# Allegro board T736_DEMO_CORE_AXP8191_LP4_4X_32X1_V0_5-draft.brd (continued)
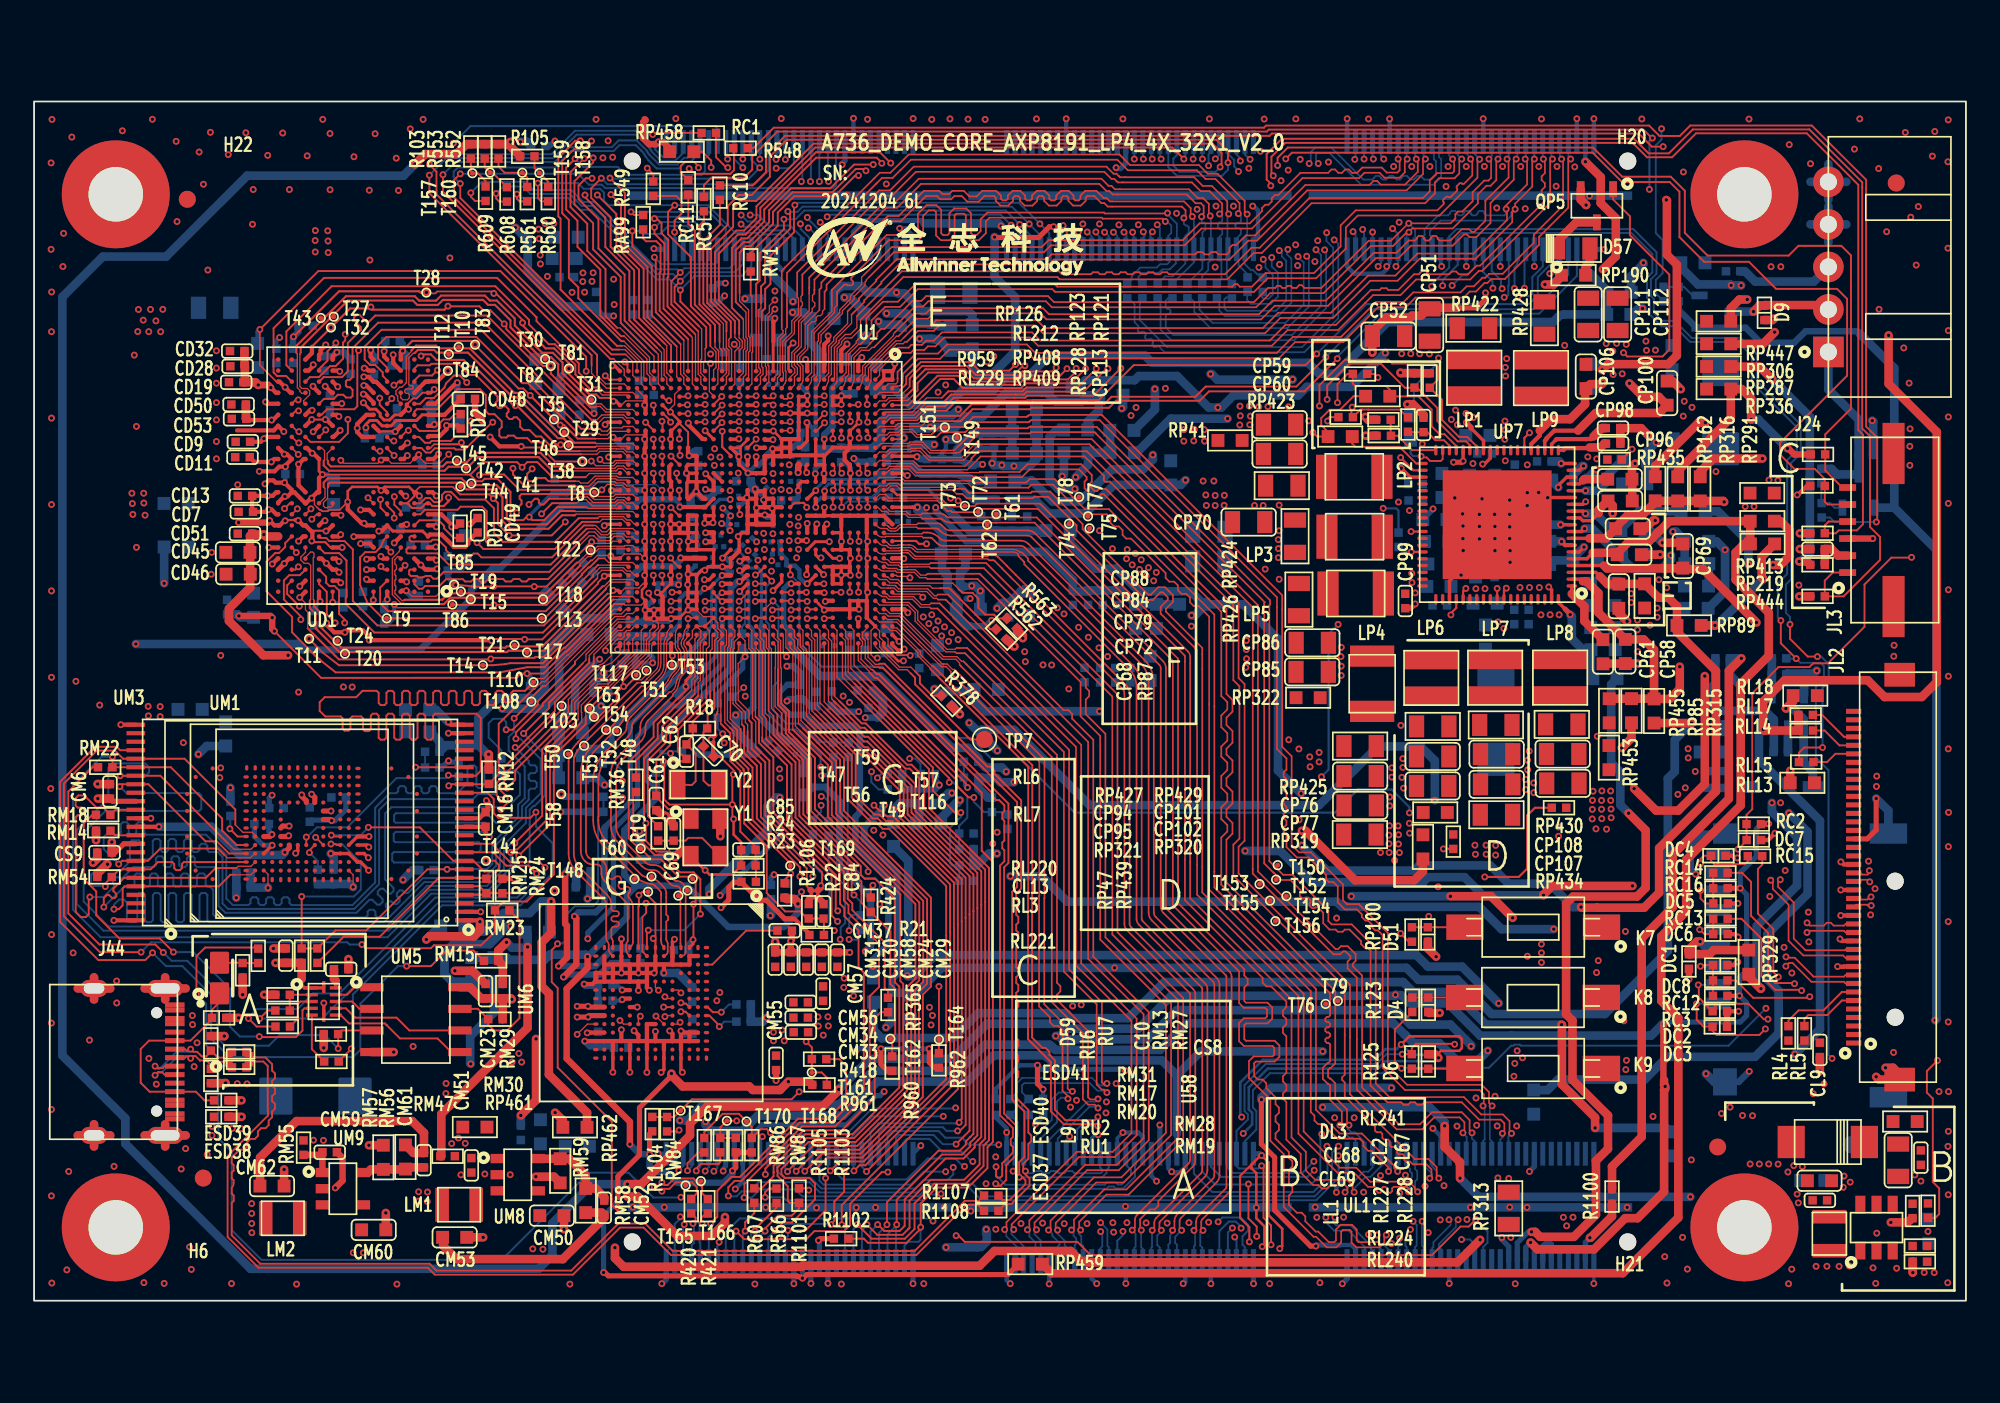
[diagram p0: board, top side]
## Routing (per net, layer and track width the routed paths; a pad name or vN(x,y) marks a point on that pad's centre or on a via; arc(x,y) is an arc through that point) (continued)
FEL: length 188.1
  TOP w0.114: U1.AD6 39.39,52.15 v1(39.42,52.18) ; R123.1 79.95,15.95 79.95,14.06 v1(80.34,13.66)
  L4 w0.076: v1(39.42,52.18) 39.74,52.5 39.74,53.83 39.59,53.98
  L4 w0.114: v1(101.75,17.19) 103.24,17.19 104.09,16.34 106.07,16.34 111.57,21.84 111.57,65.38 108.38,68.57 97.9,68.57 96.54,67.21 95.28,67.21 93.86,68.62 68.98,68.62 68.75,68.62 40.72,68.62 39.4,67.3 39.4,66.1 39.26,65.96 39.26,63.29 38.38,62.41 38.38,62.36 38.33,62.32 38.33,61 38.33,61 38.33,56.49 38.38,56.45 38.38,56.41 39.19,55.6 39.19,54.38 39.59,53.98
  BOTTOM w0.114: J48.117 71.14,9.39 71.62,9.87 71.81,10.06 71.81,11.15 71.61,11.35 71.61,12.38 72.61,13.38 79.25,13.38 79.53,13.66 v1(80.34,13.66) 80.36,13.68 80.36,13.7 85.48,13.7 86.77,14.99 86.92,14.99 86.98,15.05 87.28,15.05 87.34,14.99 99.55,14.99 v1(101.75,17.19)
GPADC4: length 44.8
  TOP w0.114: U1.H30 46.47,40.15 v1(46.42,40.1) ; v1(49.35,29.13) 49.67,28.81 49.76,28.81 50.09,28.48 50.47,28.48 50.63,28.32 50.68,28.28 50.76,28.19 52.86,26.1 53.39,25.56 54.21,24.74 54.27,24.68 54.27,22.11 54.28,22.1 54.28,12.44 47.45,5.62 v1(47.45,4.47)
  L4 w0.114: v1(46.42,40.1) 46.6,39.92 46.6,35.87 48.83,33.64 48.83,29.58 49.29,29.13 v1(49.35,29.13)
  BOTTOM w0.114: J48.44 47.64,4.35 47.53,4.47 v1(47.45,4.47)
GPADC5: length 48.3
  TOP w0.076: U1.H31 47.17,39.4 47.17,36.66 48.01,35.83
  TOP w0.114: 48.01,35.83 52.58,31.25 52.58,28.96 56.1,25.44 56.1,23.57 56.1,9.43 55.92,9.25 55.78,9.11 55.78,7.92 54.74,6.88 52.88,6.88 51.73,5.73 51.73,4.21 51.16,3.65 49.2,3.65 48.37,4.48 v1(48.36,4.48)
  BOTTOM w0.114: v1(48.36,4.48) 48.36,4.43 48.14,4.21 J48.46
GPADC6: length 47
  TOP w0.076: 47.31,35.26 47.01,35.55 47.01,39.06 U1.H32
  TOP w0.114: v1(48.94,4.48) 49.54,3.87 51.03,3.87 51.38,4.23 51.38,4.24 51.44,4.29 51.44,5.87 52.68,7.11 54.64,7.11 55.55,8.02 55.55,9.2 55.69,9.34 55.88,9.53 55.88,23.43 55.87,23.43 55.87,25.34 52.3,28.92 52.3,30.76 51.55,31.51 51.29,31.51 48.86,33.94 48.63,33.94 47.31,35.26
  BOTTOM w0.114: v1(48.94,4.48) 48.94,4.44 48.64,4.14 J48.48
GPADC7: length 46
  TOP w0.076: U1.J31 46.67,39.4 46.67,38.97 46.86,38.78 46.86,35.38 46.99,35.25
  TOP w0.114: 46.99,35.25 48.56,33.68 48.8,33.68 51.2,31.28 51.44,31.28 52.01,30.72 52.01,28.89 52.07,28.83 53.83,27.07 55.65,25.25 55.65,23.27 55.65,9.62 55.46,9.44 55.46,9.44 55.26,9.24 55.26,9.02 55.23,8.99 55.23,8.98 54.61,8.36 53.56,8.36 51.15,5.95 51.15,4.4 50.85,4.1 49.95,4.1 49.58,4.48 v1(49.56,4.48)
  BOTTOM w0.114: J48.50 49.14,4.06 49.55,4.48 v1(49.56,4.48)
GPADC8: length 43.1
  TOP w0.076: U1.J33 46.42,35.21 46.74,34.89
  TOP w0.114: v1(50.11,4.48) 50.11,5.79 53.14,8.82 54.38,8.82 54.75,9.18 54.75,9.37 55,9.63 55,9.63 55.19,9.81 55.19,22.9 55.19,22.9 55.19,25.06 52.46,27.79 51.61,28.64 51.61,28.64 51.55,28.7 51.55,30.28 48.95,32.88 48.75,32.88 46.74,34.89
  BOTTOM w0.114: v1(50.11,4.48) 50.11,4.45 49.64,3.98 J48.52
GPADC9: length 45.6
  TOP w0.076: 46.83,35.1 46.67,35.26 46.67,38.75 46.42,39 U1.J32
  TOP w0.114: 46.83,35.1 48.78,33.16 49,33.16 51.78,30.38 51.78,28.79 51.84,28.73 52.99,27.58 55.42,25.15 55.42,23.09 55.42,23.09 55.42,9.72 55.23,9.53 55,9.3 55,9.07 54.52,8.59 53.34,8.59 50.68,5.93 v1(50.68,4.48)
  BOTTOM w0.114: v1(50.68,4.48) 50.68,4.44 50.64,4.4 ; 50.64,4.4 J48.56 ; 50.64,4.4 50.14,3.9 J48.54
HCEC: length 59.5
  TOP w0.114: v1(47.96,46.65) 47.96,47.11 U1.F16
  L4 w0.076: 52.21,45.77 51.7,45.77 51.29,46.18 48.43,46.18 v1(47.96,46.65)
  L4 w0.114: 52.21,45.77 52.21,45.77 52.24,45.8 52.77,45.8 52.77,45.8 52.97,45.8 53.33,45.45 57.97,45.45 63.83,39.59 63.83,21.23 70,15.06 70,4.12 70.32,3.8 70.49,3.8 v1(70.54,3.74)
  BOTTOM w0.114: v1(70.54,3.74) 70.64,3.64 J48.116
HHPD: length 62
  TOP w0.102: U1.H16 46.92,46.67 v1(46.94,46.65)
  L4 w0.076: v1(46.94,46.65) 47.33,46.26 48.08,46.26 48.32,46.03 51.2,46.03 51.38,45.85
  L4 w0.114: v1(69.57,4.64) 69.13,5.07 69.13,15.57 63.55,21.15 63.55,34.41 62.06,35.91 62.06,38.61 62.35,38.9 62.35,40.67 57.84,45.17 53.26,45.17 52.88,45.56 51.67,45.56 51.38,45.85
  BOTTOM w0.114: v1(69.57,4.64) 69.82,4.89 70.89,4.89 71.32,4.46 71.32,4.11 71,3.79 71,3.29 71.14,3.15 J48.118
HREXT: length 3.5
  TOP w0.114: v1(47.45,46.65) 47.44,46.66 47.44,47.14 U1.G16
  BOTTOM w0.114: v1(47.45,46.65) 47.79,46.98 49.47,46.98 49.7,47.22 R380.2
HSCL: length 60.4
  TOP w0.114: v1(48.97,46.65) 48.97,47.1 U1.D16
  L4 w0.076: 52.21,46.25 51.81,46.25 51.41,46.65 v1(48.97,46.65)
  L4 w0.114: 52.21,46.25 52.22,46.26 52.58,46.26 52.59,46.26 53.24,46.26 53.55,45.95 58.12,45.95 64.39,39.67 64.39,21.52 70.48,15.44 70.48,4.71 70.76,4.42 70.76,4.42 v1(70.92,4.27)
  BOTTOM w0.114: J48.112 69.64,4.1 70.19,4.65 70.61,4.65 70.92,4.34 v1(70.92,4.27)
HSDA: length 59.1
  TOP w0.114: U1.E16 48.47,47.11 v1(48.47,46.65)
  L4 w0.076: v1(48.47,46.65) 48.78,46.33 51.45,46.33 51.79,46
  L4 w0.114: v1(70.4,4.27) 70.24,4.44 70.24,15.21 64.17,21.28 64.17,39.58 58.07,45.67 53.45,45.67 53.09,46.03 52.68,46.03 52.68,46.03 52.22,46.03 52.19,46 51.79,46
  BOTTOM w0.114: J48.114 70.14,4.01 v1(70.4,4.27)
HTX0N: length 55.8
  TOP w0.076: 57.83,43.77 57.82,43.78 57.82,43.89 57.82,43.89 arc(57.68,43.98) 57.52,44.01 51.91,44.01 arc(51.82,44.03) 51.75,44.08 51.63,44.2 arc(51.55,44.26) 51.44,44.28 51.41,44.28 51.16,44.28 50.83,44.28 50.8,44.25 50.33,44.25 arc(50.24,44.26) 50.16,44.31 50.1,44.38 arc(50.08,44.39) 50.05,44.4 49.93,44.4 arc(49.79,44.42) 49.68,44.5 49.6,44.57 arc(49.52,44.63) U1.C21
  TOP w0.102: v1(65.69,4.14) 65.81,4.26 65.81,4.58 arc(65.84,4.73) 65.93,4.86 68.55,7.48 arc(68.61,7.57) 68.63,7.67 68.63,18.35 arc(68.62,18.39) 68.6,18.42 64.91,22.11 arc(64.81,22.26) 64.77,22.45 64.77,36.07 arc(64.65,36.65) 64.32,37.15 58.18,43.29 58.18,43.42 58.09,43.51 58.09,43.51 57.83,43.77
  BOTTOM w0.102: v1(65.69,4.14) 65.68,4.13 65.68,3.16 65.64,3.12 J48.96
HTX0P: length 55.8
  TOP w0.076: 58.05,43.98 58.04,44 57.93,44 57.93,44 57.93,44 arc(57.74,44.12) 57.52,44.17 51.91,44.17 arc(51.88,44.17) 51.86,44.19 51.74,44.31 arc(51.6,44.4) 51.44,44.43 51.35,44.43 51.09,44.43 50.77,44.43 50.74,44.4 50.33,44.4 arc(50.3,44.4) 50.27,44.42 50.21,44.48 arc(50.2,44.49) 50.19,44.51 50.19,44.5 50.08,44.61 50,44.65 U1.B21
  TOP w0.102: v1(66.23,4.14) 66.12,4.25 66.12,4.58 arc(66.13,4.62) 66.15,4.65 68.77,7.27 arc(68.89,7.45) 68.93,7.67 68.93,18.35 arc(68.9,18.5) 68.81,18.64 65.13,22.33 arc(65.09,22.38) 65.08,22.45 65.08,36.07 arc(64.94,36.77) 64.54,37.36 58.39,43.51 58.39,43.64 58.05,43.98
  BOTTOM w0.102: J48.98 66.14,3.13 65.98,3.28 65.98,3.83 66.23,4.07 v1(66.23,4.14)
HTX1N: length 56.6
  TOP w0.076: U1.C20 49.57,45 arc(49.68,44.93) 49.82,44.9 50.03,44.9 50.06,44.93 52.16,44.93 52.24,44.85 52.25,44.85
  TOP w0.102: 52.25,44.85 52.68,44.85 arc(52.73,44.85) 52.77,44.82 53.06,44.53 arc(53.22,44.42) 53.42,44.38 57.96,44.38 arc(58.09,44.35) 58.2,44.28 65,37.48 arc(65.36,36.95) 65.48,36.33 65.48,22.83 arc(65.53,22.57) 65.68,22.34 69.25,18.77 arc(69.32,18.68) 69.34,18.56 69.34,7.37 arc(69.32,7.26) 69.26,7.18 67.17,5.08 arc(67.04,4.9) 67,4.67 67,4.25 v1(66.89,4.14)
  BOTTOM w0.102: v1(66.89,4.14) 66.89,4.04 66.86,4.01 arc(66.77,3.87) 66.74,3.72 66.74,3.4 66.64,3.3 J48.100
HTX1P: length 56.6
  TOP w0.076: U1.B20 49.99,45.08 52.16,45.08 52.24,45.16 52.25,45.16
  TOP w0.102: v1(67.42,4.14) 67.3,4.26 67.3,4.67 arc(67.32,4.78) 67.38,4.87 69.47,6.96 arc(69.6,7.15) 69.65,7.37 69.65,18.56 arc(69.6,18.79) 69.47,18.99 65.9,22.56 arc(65.82,22.68) 65.79,22.83 65.79,36.33 arc(65.64,37.07) 65.22,37.69 58.42,44.49 arc(58.21,44.63) 57.96,44.68 53.53,44.68 arc(53.36,44.72) 53.21,44.81 53.16,44.87 arc(52.84,45.08) 52.46,45.16 52.25,45.16
  BOTTOM w0.102: v1(67.42,4.14) 67.07,3.79 arc(67.05,3.76) 67.04,3.72 67.04,3.4 67.14,3.3 J48.102
HTX2N: length 57.7
  TOP w0.076: U1.C19 49.57,45.5 arc(49.68,45.43) 49.82,45.4 50.05,45.4 arc(50.1,45.39) 50.14,45.36 50.18,45.32 arc(50.26,45.26) 50.35,45.25 50.58,45.25 arc(50.66,45.26) 50.74,45.31 50.86,45.44 arc(50.9,45.46) 50.95,45.47 51.86,45.47 51.94,45.4 51.96,45.4
  TOP w0.102: v1(68.14,4.14) 68.27,4.26 68.27,4.62 arc(68.31,4.83) 68.43,5.01 70.02,6.61 arc(70.04,6.64) 70.05,6.68 70.05,19.05 arc(70.04,19.09) 70.02,19.13 66.35,22.79 arc(66.23,22.97) 66.19,23.18 66.19,26.53 66.19,37.18 arc(66.17,37.29) 66.11,37.38 58.61,44.88 arc(58.5,44.96) 58.37,44.98 53.88,44.98 arc(53.54,45.05) 53.24,45.25 53.14,45.35 arc(53.09,45.39) 53.03,45.4 51.96,45.4
  BOTTOM w0.102: v1(68.14,4.14) 68.21,4.07 68.21,3.26 68.14,3.19 J48.106
HTX2P: length 57.7
  TOP w0.076: U1.B19 49.92,45.65 arc(50,45.59) 50.1,45.58 50.13,45.58 50.14,45.57 50.16,45.55 50.21,45.5 50.21,45.51 arc(50.23,45.49) 50.24,45.47 50.29,45.42 arc(50.32,45.41) 50.35,45.4 50.58,45.4 arc(50.61,45.4) 50.63,45.42 50.75,45.54 arc(50.84,45.6) 50.95,45.63 51.86,45.63 51.94,45.7 51.96,45.7
  TOP w0.102: v1(68.68,4.14) 68.57,4.24 68.57,4.62 arc(68.59,4.72) 68.64,4.8 70.24,6.39 arc(70.33,6.52) 70.36,6.68 70.36,19.05 arc(70.33,19.21) 70.24,19.34 66.57,23.01 arc(66.52,23.09) 66.5,23.18 66.5,26.53 66.5,37.18 arc(66.45,37.41) 66.33,37.6 58.83,45.1 arc(58.62,45.24) 58.37,45.29 53.81,45.29 arc(53.65,45.32) 53.51,45.41 53.31,45.61 arc(53.21,45.68) 53.09,45.7 51.96,45.7
  BOTTOM w0.102: v1(68.68,4.14) 68.64,4.14 68.51,4.02 68.51,3.24 68.64,3.12 J48.108
HTXCN: length 54.7
  TOP w0.076: 56.12,43.53 56.1,43.53 56.02,43.61 51.8,43.61 arc(51.72,43.63) 51.64,43.68 51.37,43.95 arc(51.34,43.97) 51.31,43.97 51.28,43.97 50.96,43.97 50.92,43.93 50.06,43.93 50.03,43.9 49.82,43.9 arc(49.68,43.93) 49.57,44 U1.C22
  TOP w0.102: 56.12,43.53 56.35,43.53 arc(56.39,43.53) 56.42,43.5 56.87,43.06 56.87,43.05 57.36,42.55 57.36,42.55 63.94,35.97 arc(64.03,35.84) 64.06,35.69 64.06,22.16 arc(64.1,21.94) 64.22,21.76 67.89,18.1 arc(67.91,18.06) 67.92,18.02 67.92,8.29 arc(67.89,8.17) 67.83,8.07 64.8,5.04 arc(64.71,4.91) 64.68,4.75 64.68,4.31 v1(64.52,4.15)
  BOTTOM w0.102: J48.92 64.64,3.11 64.71,3.18 64.71,3.91 arc(64.7,3.95) 64.68,3.99 v1(64.52,4.15)
HTXCP: length 54.6
  TOP w0.076: 56.12,43.84 56.1,43.84 56.02,43.76 51.8,43.76 arc(51.77,43.77) 51.75,43.78 51.48,44.06 arc(51.4,44.11) 51.31,44.12 51.22,44.12 50.89,44.12 50.85,44.08 49.99,44.08 U1.B22
  TOP w0.102: 56.12,43.84 56.35,43.84 arc(56.51,43.81) 56.64,43.72 57.17,43.19 57.17,43.18 57.67,42.68 57.67,42.68 64.16,36.18 arc(64.31,35.96) 64.36,35.69 64.36,22.16 arc(64.38,22.06) 64.44,21.98 68.1,18.31 arc(68.19,18.18) 68.22,18.02 68.22,8.29 arc(68.18,8.05) 68.04,7.85 66.05,5.86 66.05,5.58 65.84,5.36 65.55,5.36 65.01,4.82 arc(64.99,4.79) 64.98,4.75 64.98,4.22 v1(65.05,4.15)
  BOTTOM w0.102: v1(65.05,4.15) 65.04,4.14 65.04,3.93 65.04,3.93 arc(65.04,3.93) 65.04,3.92 65.04,3.15 65.14,3.05 J48.94
JTAG-SEL: length 18.4
  TOP w0.114: v1(39.42,51.68) 39.4,51.65 U1.AD7 ; RP458.1 39.26,67.55 39.78,67.03 v1(39.78,66.62)
  L4 w0.076: 39.71,54.26 39.91,54.06 39.91,52.16 v1(39.42,51.68)
  L4 w0.114: 39.71,54.26 39.38,54.59 39.38,55.77 38.56,56.58 38.56,60.9 38.56,62.22 39.49,63.15 39.49,65.87 39.8,66.17 39.8,66.61 v1(39.78,66.62)
LRADC0: length 49.2
  TOP w0.076: 48.58,36.96 48.17,37.37 48.17,39.4 U1.F31
  TOP w0.114: 48.58,36.96 55.68,29.86 55.68,26.45 56.33,25.8 56.33,23.67 56.33,9.34 56.01,9.02 56.01,7.8 54.87,6.65 53.03,6.65 52.09,5.71 v1(52.09,4.32) 52.08,4.31 52.08,4.23 51.26,3.4 49,3.4 48.75,3.65 R1102.1
  BOTTOM w0.114: J48.58 51.14,3.24 51.36,3.46 51.96,3.46 52.08,3.58 52.08,4.31 v1(52.09,4.32)
LVDS0-CKN: length 40.5
  TOP w0.076: U1.P3 44.12,53.95 44.17,54.07 44.17,54.09 44.17,54.63 44.13,54.67 44.13,56.33 44.67,56.86 44.67,57.54 45.06,57.93 45.06,58.43 45.13,58.5 45.13,58.69 45.06,58.76 45.06,59.05 45.14,59.12 45.14,59.14
  TOP w0.102: v1(69.65,63.89) 69.79,64.03 69.79,64.5 69.07,65.23 68.53,65.23 68.02,65.75 63.97,65.75 63.97,65.75 63.67,65.75 63.6,65.81 63.6,65.81 63.47,65.95 63.3,65.95 62.88,66.36 51.81,66.36 50.41,64.97 49.78,64.97 45.14,60.32 45.14,59.14
  BOTTOM w0.102: RL236.2 69.54,59.79 69.76,60.12 69.76,61.09 69.64,61.21 J47.69 69.64,62.54 69.81,62.71 69.81,62.93 69.72,63.02 69.65,63.02 69.55,63.12 69.55,63.3 69.64,63.39 69.72,63.39 69.81,63.48 69.81,63.73 v1(69.65,63.89)
LVDS0-CKN-1: length 89.4
  TOP w0.102: v1(107.93,23.23) 107.74,23.23 107.69,23.28 107.04,23.28 JL2.17
  L4 w0.102: v1(107.93,23.23) 107.82,23.23 107.74,23.32 107.08,23.32 106.64,23.76 106.64,26.06 106.9,26.33 107.04,26.33 107.14,26.43 107.14,26.63 107.04,26.73 106.9,26.73 106.64,27 106.64,27.63 107.39,28.37 107.39,31.97 107.65,32.24 107.86,32.24 107.96,32.34 107.96,32.54 107.86,32.64 107.65,32.64 107.39,32.91 107.39,33.34 107.65,33.61 107.86,33.61 107.96,33.71 107.96,33.91 107.86,34.02 107.65,34.02 107.39,34.28 107.39,34.72 107.65,34.98 107.86,34.98 107.96,35.08 107.96,35.29 107.86,35.39 107.65,35.39 107.39,35.65 107.39,36.09 107.65,36.35 107.86,36.35 107.96,36.45 107.96,36.66 107.86,36.76 107.65,36.76 107.39,37.02 107.39,39.87 107.65,40.14 107.85,40.14 107.96,40.24 107.96,40.44 107.85,40.54 107.65,40.54 107.39,40.81 107.39,41.24 107.65,41.51 107.85,41.51 107.96,41.61 107.96,41.81 107.85,41.92 107.65,41.92 107.39,42.18 107.39,42.62 107.65,42.88 107.85,42.88 107.96,42.98 107.96,43.19 107.85,43.29 107.65,43.29 107.39,43.55 107.39,46.45 107.65,46.72 107.85,46.72 107.96,46.82 107.96,47.02 107.85,47.12 107.65,47.12 107.39,47.39 107.39,47.82 107.65,48.09 107.85,48.09 107.96,48.19 107.96,48.39 107.85,48.49 107.65,48.49 107.39,48.76 107.39,49.48 104.68,52.19 103.1,52.19 101.16,54.13 101.16,54.47 100.02,55.61 100.02,56.06 99.85,56.24 99.39,56.24 99.05,56.58 99.05,57.03 98.88,57.21 98.42,57.21 98.08,57.55 98.08,58.01 97.9,58.18 97.45,58.18 97.11,58.52 97.11,58.98 96.93,59.15 96.48,59.15 96.14,59.49 96.14,59.95 95.96,60.12 95.51,60.12 95.15,60.48 95.15,61.41 93.55,63 91.5,63 89.79,64.7 89.15,64.7 89.05,64.6 89.05,64.24 88.79,63.98 88.35,63.98 88.09,64.24 88.09,64.6 87.98,64.7 82.53,64.7 81.9,65.33 79.11,65.33 78.48,64.7 76.76,64.7 75.98,63.92 75.45,63.92 73.66,62.14 v1(73.66,61.81)
  BOTTOM w0.102: RL236.1 69.49,58.85 69.63,58.71 69.63,58.22 69.96,57.89 73.09,57.89 73.87,58.66 73.87,61.26 73.61,61.51 73.61,61.63 73.66,61.67 73.66,61.8 v1(73.66,61.81)
LVDS0-CKP: length 40.5
  TOP w0.076: U1.P2 44.02,54.25 44.02,54.25 44.02,54.56 43.98,54.6 43.98,56.39 44.52,56.92 44.52,57.6 44.91,57.99 44.91,58.94 44.83,59.01 44.83,59.14
  TOP w0.102: 44.83,59.14 44.83,60.45 49.65,65.27 50.29,65.27 51.68,66.67 63.01,66.67 63.42,66.25 63.59,66.25 63.73,66.12 63.8,66.05 64.09,66.05 64.09,66.05 68.15,66.05 68.66,65.54 69.19,65.54 70.1,64.63 70.1,63.97 v1(70.19,63.89)
  BOTTOM w0.102: RL237.2 70.37,59.91 70.08,60.21 70.08,61.75 J47.67 70.11,61.84 70.11,63.81 v1(70.19,63.89)
LVDS0-CKP-1: length 89.4
  TOP w0.102: v1(107.92,23.74) 107.86,23.74 107.71,23.58 106.97,23.58 JL2.18
  L4 w0.102: v1(73.16,61.74) 73.16,62.03 75.33,64.2 75.86,64.2 76.64,64.98 78.36,64.98 78.99,65.61 82.01,65.61 82.64,64.98 88.1,64.98 88.36,64.72 88.36,64.36 88.47,64.26 88.67,64.26 88.77,64.36 88.77,64.72 89.04,64.98 89.91,64.98 91.61,63.28 93.67,63.28 95.43,61.53 95.43,60.6 95.62,60.4 96.08,60.4 96.42,60.06 96.42,59.61 96.59,59.43 97.05,59.43 97.39,59.09 97.39,58.64 97.57,58.46 98.02,58.46 98.36,58.12 98.36,57.67 98.54,57.49 98.99,57.49 99.33,57.15 99.33,56.7 99.51,56.52 99.96,56.52 100.3,56.18 100.3,55.73 101.44,54.59 101.44,54.25 103.22,52.47 104.79,52.47 107.67,49.6 107.67,48.87 107.77,48.77 107.97,48.77 108.24,48.51 108.24,48.07 107.97,47.81 107.77,47.81 107.67,47.71 107.67,47.5 107.77,47.4 107.97,47.4 108.24,47.14 108.24,46.7 107.97,46.44 107.77,46.44 107.67,46.33 107.67,43.67 107.77,43.57 107.97,43.57 108.24,43.3 108.24,42.87 107.97,42.6 107.77,42.6 107.67,42.5 107.67,42.3 107.77,42.2 107.97,42.2 108.24,41.93 108.24,41.5 107.97,41.23 107.77,41.23 107.67,41.13 107.67,40.93 107.77,40.82 107.97,40.82 108.24,40.56 108.24,40.12 107.97,39.86 107.77,39.86 107.67,39.76 107.67,37.14 107.77,37.04 107.98,37.04 108.24,36.77 108.24,36.34 107.98,36.07 107.77,36.07 107.67,35.97 107.67,35.77 107.77,35.67 107.98,35.67 108.24,35.4 108.24,34.97 107.98,34.7 107.77,34.7 107.67,34.6 107.67,34.4 107.77,34.3 107.98,34.3 108.24,34.03 108.24,33.6 107.98,33.33 107.77,33.33 107.67,33.23 107.67,33.03 107.77,32.92 107.98,32.92 108.24,32.66 108.24,32.22 107.98,31.96 107.77,31.96 107.67,31.86 107.67,28.26 106.92,27.51 106.92,27.11 107.02,27.01 107.16,27.01 107.42,26.75 107.42,26.31 107.16,26.05 107.02,26.05 106.92,25.94 106.92,23.87 107.2,23.6 107.78,23.6 v1(107.92,23.74)
  BOTTOM w0.102: RL237.1 70.31,58.98 70.05,58.98 69.94,58.87 69.94,58.34 70.08,58.19 72.97,58.19 73.56,58.79 73.56,61.13 73.31,61.39 73.31,61.59 v1(73.16,61.74)
LVDS0-D0N: length 39.8
  TOP w0.076: U1.L2 45.42,54.3 45.68,54.55 45.68,56.97 46.87,58.16 46.87,58.47 46.87,58.55
  TOP w0.102: 46.87,58.55 46.87,59.43 49.93,62.49 50.1,62.65 51.84,62.65 51.93,62.74 51.93,63.9 52.44,64.41 53.01,64.41 53.3,64.13 53.3,62.75 53.4,62.65 53.67,62.65 53.78,62.75 53.78,63.93 54.06,64.21 54.77,64.21 55.05,63.93 55.05,62.75 55.15,62.65 55.38,62.65 55.62,62.89 55.62,63.58 56.01,63.97 62.86,63.97 62.91,63.92 66.56,63.92 v1(66.59,63.94)
  BOTTOM w0.102: v1(66.59,63.94) 66.59,63.87 67.14,63.32 J47.79 67.08,61.75 67.08,60.98 66.74,60.65 66.71,60.65 66.7,60.63 66.28,60.63 66.07,60.42 65.11,60.42 64.89,60.2 64.89,59.9 65.01,59.78 RL230.2
LVDS0-D0N-1: length 91.1
  TOP w0.102: v1(102.92,19.67) 103.11,19.86 103.31,19.86 104.42,18.75 106.33,18.75 106.43,18.65 JL2.8
  L4 w0.102: v1(75.94,62.79) 76.39,62.79 77.21,63.61 78.93,63.61 79.56,64.24 80.87,64.24 82.23,62.88 88.63,62.88 89.71,62.88 91.18,61.41 92.39,61.41 99.76,54.03 99.76,53.86 102.68,50.95 103.45,50.95 105.76,48.63 105.76,28.64 103.68,26.56 103.68,20.09 103.41,19.82 103.07,19.82 v1(102.92,19.67)
  BOTTOM w0.102: RL230.1 65.12,58.78 64.96,58.62 64.96,57.65 66.55,56.06 74.5,56.06 76.32,57.88 76.32,61.91 75.92,62.3 75.92,62.77 v1(75.94,62.79)
LVDS0-D0P: length 39.8
  TOP w0.076: 47.18,58.53 47.02,58.37 47.02,58.1 45.83,56.9 45.83,54.43 45.67,54.27 45.67,54.07 45.62,53.94 U1.L3
  TOP w0.102: 47.18,58.53 47.18,59.3 47.61,59.74 47.74,59.74 47.79,59.69 48.03,59.69 48.12,59.78 48.12,59.91 48.01,60.02 48.01,60.14 50.08,62.21 50.14,62.26 50.22,62.35 51.97,62.35 52.23,62.62 52.23,63.77 52.56,64.1 52.89,64.1 52.99,64 52.99,62.63 53.27,62.35 53.8,62.35 54.08,62.63 54.08,63.8 54.18,63.9 54.64,63.9 54.74,63.8 54.74,62.63 55.02,62.35 55.51,62.35 55.92,62.76 55.92,63.46 56.13,63.67 62.73,63.67 62.79,63.61 66.3,63.61 66.43,63.48 66.43,63.48 v1(66.46,63.45)
  BOTTOM w0.102: RL231.2 64.48,60.04 64.48,60.22 65,60.74 65.96,60.74 66.16,60.93 66.57,60.93 66.71,61.07 66.71,61.74 J47.81 66.64,62.6 66.81,62.77 66.81,63.21 66.58,63.45 v1(66.46,63.45)
LVDS0-D0P-1: length 91.1
  TOP w0.102: v1(102.93,20.22) 102.98,20.16 103.44,20.16 104.55,19.05 106.33,19.05 106.43,19.15 JL2.9
  L4 w0.102: v1(102.93,20.22) 103.04,20.1 103.3,20.1 103.4,20.21 103.4,26.67 105.48,28.76 105.48,48.52 103.33,50.67 102.56,50.67 99.48,53.75 99.48,53.92 92.27,61.13 91.07,61.13 89.59,62.6 89.09,62.6 89.09,62.6 88.52,62.6 88.52,62.6 82.11,62.6 80.75,63.96 79.68,63.96 79.05,63.33 77.33,63.33 76.38,62.39 v1(76.38,62.37)
  BOTTOM w0.102: v1(76.38,62.37) 76.4,62.37 76.62,62.15 76.62,57.75 74.63,55.76 66.42,55.76 66.08,56.1 65.96,56.1 65.92,56.07 65.8,56.07 65.71,56.16 65.71,56.28 65.74,56.32 65.74,56.44 65.65,56.53 65.52,56.53 65.49,56.5 65.37,56.5 65.28,56.59 65.28,56.71 65.31,56.75 65.31,56.87 65.22,56.96 65.09,56.96 65.06,56.93 64.94,56.93 64.85,57.02 64.85,57.15 64.88,57.18 64.88,57.3 64.66,57.52 64.66,58.58 64.31,58.93 RL231.1
LVDS0-D1N: length 39
  TOP w0.076: U1.M2 45.02,54.25 45.02,54.89 44.83,55.08 44.83,55.54 45.3,56.01 45.3,57.4 46.14,58.24
  TOP w0.102: 46.14,58.24 46.14,59.44 46.25,59.56 46.25,59.86 50.16,63.77 50.79,63.77 52.27,65.25 53.18,65.25 53.37,65.06 53.76,65.06 53.95,65.25 54.63,65.25 54.95,64.92 55.38,64.92 55.71,65.25 56.52,65.25 56.8,64.97 56.8,64.79 56.91,64.68 57.11,64.68 57.21,64.79 57.21,64.97 57.49,65.25 57.95,65.25 58.23,64.97 58.23,64.79 58.33,64.68 58.53,64.68 58.63,64.79 58.63,64.97 58.91,65.25 59.37,65.25 59.65,64.97 59.65,64.79 59.75,64.68 59.95,64.68 60.05,64.79 60.05,64.97 60.33,65.25 60.79,65.25 61.07,64.97 61.07,64.79 61.17,64.68 61.38,64.68 61.48,64.79 61.48,64.97 61.76,65.25 62.42,65.25 62.83,64.83 63,64.83 63.21,64.63 63.28,64.63 63.38,64.63 67.56,64.63 67.95,64.23 67.95,63.83 v1(68.05,63.74)
  BOTTOM w0.102: RL232.2 66.88,59.78 68.14,61.04 J47.75 68.14,62.67 68.15,62.68 68.15,63.23 68.14,63.24 68.14,63.58 68.12,63.6 68.12,63.67 v1(68.05,63.74)
LVDS0-D1N-1: length 90.9
  TOP w0.102: v1(102.03,24.72) 102.15,24.6 102.15,24.2 103.08,23.28 103.08,21.16 103.94,20.3 106.28,20.3 106.43,20.15 JL2.11
  L4 w0.102: v1(75.31,61.79) 75.31,61.74 75.65,61.4 76.77,61.4 77.29,61.92 85.03,61.92 85.13,61.82 85.13,61.57 85.4,61.3 85.83,61.3 86.1,61.57 86.1,61.82 86.2,61.92 86.4,61.92 86.5,61.82 86.5,61.57 86.77,61.3 87.2,61.3 87.82,61.92 88.23,61.92 88.23,61.92 89.25,61.92 90.21,60.96 90.21,60.81 89.47,60.07 89.47,59.69 89.77,59.38 90.15,59.38 90.9,60.13 91.04,60.13 91.18,59.99 91.18,59.84 90.44,59.09 90.44,58.72 90.74,58.41 91.12,58.41 91.87,59.16 92.01,59.16 93.51,57.66 94.37,57.66 98.65,53.38 98.65,52.96 104.23,47.38 104.23,40.56 103.94,40.28 103.94,37.32 103.74,37.12 103.74,32.68 103.64,32.58 103.12,32.58 102.85,32.32 102.85,31.88 103.12,31.62 103.64,31.62 103.74,31.52 103.74,28.21 102.21,26.69 102.21,24.9 v1(102.03,24.72)
  BOTTOM w0.102: RL232.1 66.63,58.93 66.48,58.79 66.48,58.62 66.49,58.62 66.49,58.4 66.57,58.31 66.67,58.31 66.76,58.22 66.76,58.1 66.67,58.01 66.57,58.01 66.49,57.92 66.49,57.22 66.93,56.77 73.9,56.77 75.61,58.48 75.61,61.49 75.47,61.63 75.47,61.63 v1(75.31,61.79)
LVDS0-D1P: length 39.3
  TOP w0.076: 46.44,58.29 46.33,58.17 46.33,58.03 46.21,57.91 46.06,57.91 45.95,57.8 45.95,57.63 45.87,57.55 45.71,57.55 45.46,57.3 45.46,55.95 44.99,55.48 44.99,55.14 45.17,54.95 45.17,54.09 45.1,53.9 44.93,53.65 U1.M3
  TOP w0.102: v1(67.55,63.65) 67.65,63.75 67.65,64.11 67.43,64.32 63.38,64.32 63.28,64.32 63.08,64.32 62.88,64.53 62.71,64.53 62.29,64.94 61.88,64.94 61.78,64.84 61.78,64.66 61.5,64.38 61.05,64.38 60.77,64.66 60.77,64.84 60.66,64.94 60.46,64.94 60.36,64.84 60.36,64.66 60.08,64.38 59.62,64.38 59.34,64.66 59.34,64.84 59.24,64.94 59.04,64.94 58.94,64.84 58.94,64.66 58.66,64.38 58.2,64.38 57.92,64.66 57.92,64.84 57.82,64.94 57.62,64.94 57.51,64.84 57.51,64.66 57.24,64.38 56.78,64.38 56.5,64.66 56.5,64.84 56.4,64.94 55.83,64.94 55.51,64.61 54.83,64.61 54.5,64.94 54.07,64.94 53.88,64.75 53.24,64.75 53.05,64.94 52.4,64.94 50.92,63.46 50.29,63.46 46.56,59.73 46.56,59.43 46.44,59.32 46.44,58.29